# Allegro board AX7021B.brd (continued)
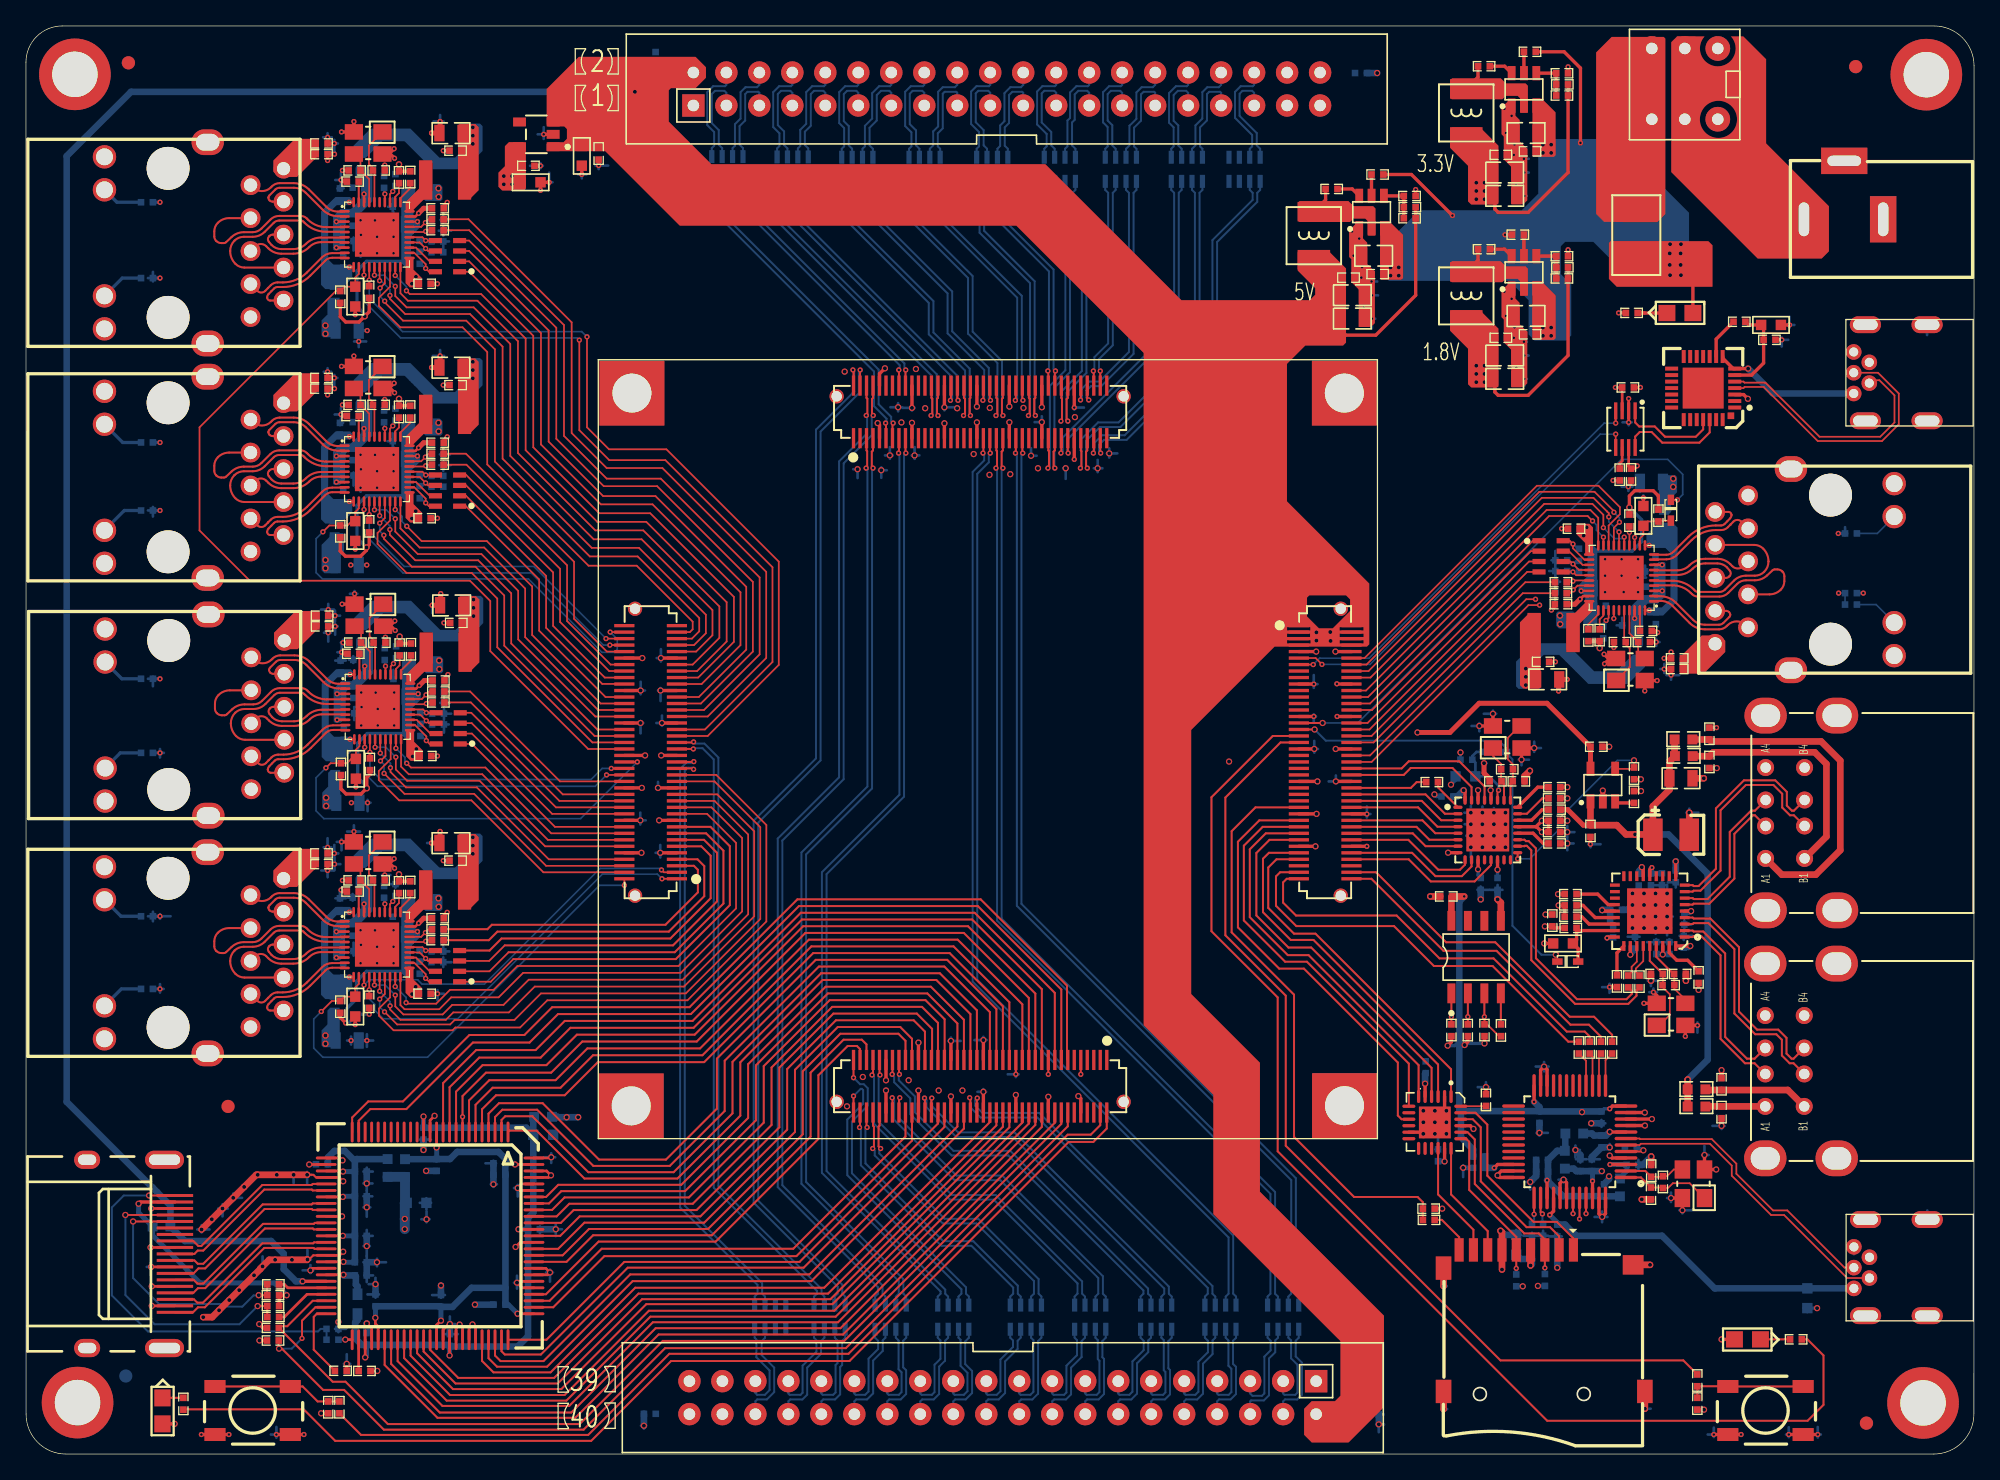
[diagram p0: board, top side]
## Routing (per net, layer and track width the routed paths; a pad name or vN(x,y) marks a point on that pad's centre or on a via; arc(x,y) is an arc through that point) (continued)
VBUS1: length 4.6
  TOP w0.508: L26.1 129.34,26.78 C237.1 133.93,26.78 J5.A1
VBUS2: length 8.2
  TOP w0.508: L29.1 129.38,28.04 C238.1 135.67,28.04 J5.B1
VBUS3: length 26
  TOP w0.508: L27.1 128.32,55.04 C241.1 129.78,54.89 138.24,54.89 139.71,53.42 139.71,46.51 137.83,44.63 135.21,44.63 J6.A1
VBUS4: length 18.8
  TOP w0.508: J6.B1 138.64,47.56 138.64,53.15 137.74,54.05 129.93,54.05 C242.1 128.35,53.75 L30.1
VCC1V8: length 29.6
  TOP w0.254: U7.32 110.82,51.02 v3(110.7,51.13) ; U5.5 v3(107.74,28.53) ; U7.8 v3(109.51,46.32) ; U7.11 v3(111.82,45.03) ; C623.1 113.11,82.69 113.11,81.8 113.37,81.55 115.68,81.55 118.75,84.62 C624.2 R320.1 ; v3(112.79,51.13) 112.82,51.1 U7.28 ; U7.14 v3(113.32,45.01) ; U7.30 v3(111.82,51.13)
  BOTTOM w0.203: R36.2 v3(110.46,54.04)
  BOTTOM w0.254: C56.1 113.32,44.38 v3(113.32,45.01) ; v3(111.82,45.03) 111.82,44.58 C54.1
  BOTTOM w0.508: v3(107.74,28.53) 107.74,29.29 C24.1 ; v3(110.7,51.13) 110.22,50.65 C55.1
  BOTTOM w0.762: v3(29.17,17.32) v3(29.17,18.11) 29.17,19.33 29.19,19.35 L8.2 29.18,21.35 L9.2
  vias: v2(111.68,83.83) v2(111.68,83.2) v2(111.68,82.56) v2(112.32,83.83) v2(112.32,83.2) v2(112.32,82.56) v2(118.13,64.58) v2(118.14,63.92)
VCC3V3: length 70
  TOP w0.191: U13.29 29.99,95.33 v1(30.24,95.57) ; v1(119.67,65.85) 119.91,66.09 U6.29 ; U11.29 30.04,58.95 v1(30.29,59.2) ; U10.29 29.99,40.64 v1(30.24,40.88) ; U12.29 29.99,77.27 v1(30.24,77.51)
  TOP w0.203: U4.7 123.42,76.08 C240.1 123.87,75.9 124.07,76.1 v1(124.07,76.12) ; v1(122.39,82.16) C239.1 122.92,82.15 U4.3 ; R160.1 v1(122.21,74.99)
  TOP w0.254: U18.23 121.44,41.82 v3(121.37,41.89) ; U18.10 v3(127.04,45.65) ; R49.2 v3(17.98,8.74) ; LED1.1 v3(130.57,8.83) ; v2(28.72,81.28) R1080.2 R1096.1 ; v3(124.43,45.2) 124.54,45.09 U18.15 ; R119.2 v3(129.22,3.42) ; C630.1 113.11,96.78 113.11,95.89 113.37,95.64 115.68,95.64 118.75,98.71 C629.2 R324.1 ; R1078.1 R1062.2 v2(28.78,62.96) ; v3(17.96,10.01) 18.26,9.71 R48.2 ; v2(28.72,99.34) R1098.2 R1115.1 ; v3(116.96,40.64) C224.1 117.66,40.52 R153.2 ; R1025.1 R1028.2 v2(121.18,62.08) ; U18.36 v3(128.16,39.13) ; 116.28,48.32 v3(116.74,48.78) C52.1 C53.1 v3(116.74,47.91) 116.32,48.32 116.28,48.32 ; 116.28,48.32 U7.21 ; U5.21 111.22,25.29 v3(111.47,25.04) ; R1061.1 R1045.2 v2(28.73,44.65) ; LED2.1 v3(11.44,2.32) ; U18.5 v3(128.22,41.82) ; R123.2 v3(22.73,3.14) ; R41.1 v3(124.37,51.07) ; U18.29 v3(123.54,38.46) ; U5.17 v3(109.24,22.54) ; R19.2 v3(109.06,18.9)
  TOP w0.381: v1(30.29,59.2) 30.67,59.59 C1526.1 ; C1543.1 30.62,77.9 v1(30.24,77.51) ; v1(30.24,95.57) 30.62,95.96 C1560.1 ; v1(119.67,65.85) 119.28,65.46 C1494.1 ; C1503.1 30.62,41.27 v1(30.24,40.88)
  TOP w0.508: J3.4 v3(115.86,14.53)
  SVCC w0.381: J15.40 52.14,3.07 ; J15.39 52.14,5.61
  BOTTOM w0.254: R1029.2 v1(141.48,66.31) ; R16.2 v3(115.26,12.92) ; R17.2 v3(116.43,12.95)
  BOTTOM w0.381: v3(124.43,45.2) 124.19,44.96 C227.1 ; C225.1 128.1,41.7 v3(128.22,41.82) ; C23.1 109.22,22.55 v3(109.24,22.54) ; v3(123.54,38.46) 123.9,38.83 C229.1 ; R163.2 121.99,40.95 121.99,41.02 ; v3(128.16,39.13) 128.03,39 C223.1
  BOTTOM w0.508: L7.1 40.94,25.97 40.97,25.95 v3(41.63,25.95) v3(42.52,25.95) ; C226.1 127.04,45.65 v3(127.04,45.65) ; C22.1 115.09,15.02 C25.1 115.96,14.63 v3(115.86,14.53) ; v3(121.37,41.89) 121.39,41.92 C228.1 121.99,41.02
  vias: v2(23.06,86.92) v2(23.06,86.29) v2(23.06,68.86) v2(23.06,68.23) v2(23.11,50.55) v2(23.11,49.92) v2(23.06,32.24) v2(23.06,31.6) v2(111.68,97.92) v2(111.68,97.29) v2(111.68,96.65) v2(112.32,97.92) v2(112.32,97.29) v2(112.32,96.65) v2(126.84,75.13) v2(126.84,74.49)
VCC5V: length 189.6
  TOP w0.254: U9.45 v3(21.3,13.3) ; C617.1 101.38,87.32 101.38,86.44 101.63,86.18 103.94,86.18 107.01,89.26 C618.2 R317.1
  TOP w0.381: v3(107.15,55.58) 109.65,55.58 111.9,57.83 117.12,57.83 C61.1 U8.5
  SVCC w0.254: v3(100.46,62.63) 101.16,62.63 107.15,56.64 v3(107.15,55.58)
  BOTTOM w0.381: J15.2 100.52,3.07
  BOTTOM w0.508: v3(46.89,104.93) 8.09,104.93 3.13,99.97 3.13,27.13 9.72,20.54 9.74,20.54 10.11,20.17 10.11,20.15 11.12,19.14 F1.1 12.24,16.41 18.87,16.41 19.85,15.43 19.85,14.25 20.79,13.3 v3(21.3,13.3)
  vias: v3(99.37,63.29) v3(99.37,62.66) v3(100.44,63.32)
VCC12V: length 19.7
  TOP w0.254: R326.1 v1(113.89,93.92) ; R325.1 118.45,108.01 119.7,106.76 v1(119.7,100.99) ; 128.67,90.59 128.36,90.29 LED9.1 ; v1(109.85,95.4) 106.69,98.56 R318.1
  vias: v2(105.08,91.4) v2(105.08,90.77) v2(105.71,91.4) v2(105.71,90.77) v2(116.81,100.86) v2(116.81,100.22) v2(116.81,86.77) v2(116.81,86.13) v2(117.45,100.86) v2(117.45,100.22) v2(117.45,86.77) v2(117.45,86.13) v3(126.6,93.19) v3(126.58,92.48) v3(126.58,91.59) v3(126.6,90.8) v3(127.42,92.48) v3(127.42,91.59) v3(127.44,93.19) v3(127.44,90.8)
9134_CLK: length 42.3
  TOP w0.152: U9.88 41.14,16.8 42.64,18.31 51.93,18.31 58.62,24.99 58.62,29.66 62.37,33.41 68.36,33.41 69.23,32.54 CON4.57
9134_D0: length 46.4
  TOP w0.152: CON4.45 72.23,33.45 69.68,36 61.58,36 55.61,30.03 55.61,25.89 50.46,20.74 40.99,20.74 40.05,19.8 U9.94
9134_D1: length 45.6
  TOP w0.152: CON4.47 71.73,33.16 69.41,35.48 61.75,35.48 56.21,29.94 56.21,25.71 50.76,20.25 41.22,20.25 40.28,19.3 U9.93
9134_D2: length 44.6
  TOP w0.152: CON4.51 70.74,30.37 70.74,33.49 69.27,34.96 61.89,34.96 56.81,29.88 56.81,25.53 51.05,19.77 41.47,19.77 40.51,18.8 U9.92
9134_D3: length 43.8
  TOP w0.152: CON4.53 70.23,33.22 69,34.44 62.08,34.44 57.41,29.77 57.41,25.35 51.34,19.28 41.84,19.28 40.86,18.3 U9.91
9134_D4: length 42.9
  TOP w0.152: U9.90 41.19,17.8 42.17,18.79 51.64,18.79 58.01,25.17 58.01,29.77 62.18,33.93 68.6,33.93 69.78,32.75 69.78,30.4 CON4.55
9134_D5: length 41
  TOP w0.152: CON4.61 68.23,31.99 67.33,32.89 62.51,32.89 59.22,29.6 59.22,24.81 52.23,17.82 43,17.82 40.98,15.8 U9.86
9134_D6: length 40.2
  TOP w0.152: CON4.63 67.73,31.83 67.18,32.37 62.7,32.37 59.82,29.49 59.82,24.63 52.52,17.34 43.35,17.34 41.32,15.3 U9.85
9134_D7: length 36.9
  TOP w0.152: CON4.75 64.72,30.36 64.72,31.56 64.36,31.91 62.96,31.91 60.42,29.38 60.42,24.45 52.82,16.85 43.67,16.85 41.62,14.8 U9.84
9134_D8: length 36.8
  TOP w0.152: CON4.77 64.23,31.19 63.98,31.43 63.27,31.43 61.02,29.18 61.02,24.27 53.11,16.36 44.1,16.36 40.04,12.3 U9.79
9134_D9: length 35.7
  TOP w0.152: U9.78 40.32,11.8 44.33,15.81 59.08,15.81 67.73,24.45 CON4.64
9134_D10: length 36.6
  TOP w0.152: U9.77 40.6,11.3 44.54,15.25 59.33,15.25 68.23,24.14 CON4.62
9134_D11: length 40.9
  TOP w0.152: CON4.54 70.23,25.46 59.57,14.8 46.07,14.8 40.08,8.8 U9.75
9134_D12: length 43.5
  TOP w0.152: CON4.52 70.73,25.19 59.89,14.35 46.34,14.35 39.65,7.67 36.87,7.67 36.62,7.92 U9.74
9134_D13: length 45.6
  TOP w0.152: U9.73 36.12,7.59 36.55,7.16 39.85,7.16 46.53,13.84 60.33,13.84 71.73,25.23 CON4.48
9134_D14: length 47.1
  TOP w0.152: CON4.46 72.23,25.07 60.47,13.32 46.72,13.32 40.13,6.73 36.27,6.73 35.62,7.38 U9.72
9134_D15: length 49.8
  TOP w0.152: U9.71 35.12,7.17 36,6.29 40.4,6.29 46.92,12.81 61.47,12.81 74.23,25.57 CON4.38
9134_D16: length 54.3
  TOP w0.152: CON4.36 74.73,25.31 61.77,12.36 47.17,12.36 40.67,5.87 33.29,5.87 31.12,8.03 U9.63
9134_D17: length 55.8
  TOP w0.152: CON4.34 75.23,25.2 61.95,11.93 47.44,11.93 40.95,5.43 33.08,5.43 30.62,7.9 U9.62
9134_D18: length 57.3
  TOP w0.152: U9.61 30.12,7.76 32.88,5 41.22,5 47.77,11.55 62.11,11.55 75.73,25.17 CON4.32
9134_D19: length 59.1
  TOP w0.152: CON4.28 76.73,25.53 62.23,11.04 47.97,11.04 41.47,4.54 32.65,4.54 29.62,7.58 U9.60
9134_D20: length 60.6
  TOP w0.152: U9.59 29.12,7.39 32.4,4.11 41.61,4.11 48.08,10.58 62.35,10.58 77.23,25.46 CON4.26
9134_D21: length 62.1
  TOP w0.152: U9.58 28.62,7.15 32.07,3.71 41.83,3.71 48.27,10.15 62.53,10.15 77.73,25.34 CON4.24
9134_D22: length 63.7
  TOP w0.152: U9.57 28.12,6.94 31.86,3.2 41.99,3.2 48.49,9.69 62.72,9.69 78.23,25.2 CON4.22
9134_D23: length 65.4
  TOP w0.152: CON4.18 79.23,25.52 62.92,9.21 48.72,9.21 42.3,2.79 31.69,2.79 27.62,6.86 U9.56
9134_DE: length 50.5
  TOP w0.152: CON4.43 72.73,33.89 70.1,36.51 61.35,36.51 55.01,30.18 55.01,26.07 50.17,21.22 43,21.22 39.32,24.91 37.23,24.91 U9.1
9134_HS: length 53.1
  TOP w0.152: U9.2 36.62,25.73 36.9,26.02 38.99,26.02 43.3,21.71 49.87,21.71 54.41,26.24 54.41,30.21 61.23,37.03 70.37,37.03 73.23,34.18 CON4.41
9134_INT: length 69.9
  TOP w0.152: U9.24 25.62,25.67 26.52,26.57 29.29,26.57 34.42,31.7 38.78,31.7 40.97,33.89 51.2,33.89 59.52,42.21 73.3,42.21 79.73,35.78 CON4.15
9134_MCLK: length 52.7
  TOP w0.152: CON4.33 75.23,34.49 71.13,38.59 60.62,38.59 52.22,30.19 44.04,30.19 41.49,27.64 36.2,27.64 35.12,26.56 U9.5
9134_NRESET: length 71.6
  TOP w0.152: U9.25 25.12,25.92 26.36,27.16 29.03,27.16 34.14,32.28 38.38,32.28 40.52,34.42 51.1,34.42 59.4,42.73 73.52,42.73 80.16,36.08 80.16,30.42 CON4.13
9134_SCK: length 64
  TOP w0.152: U9.11 32.12,28.57 34.67,31.12 39.24,31.12 41.49,33.36 51.33,33.36 59.66,41.69 73.05,41.69 79.23,35.52 CON4.17
9134_SCL: length 78.3
  TOP w0.152: U9.48 22.08,11.8 20.12,9.84 19.61,9.84 R48.1 23.62,5.57 24.6,5.57 27.86,2.31 42.63,2.31 49.04,8.71 63.01,8.71 79.73,25.43 CON4.16
9134_SD0: length 60.3
  TOP w0.152: CON4.23 77.73,35.47 72.54,40.66 59.85,40.66 51.5,32.3 42.42,32.3 40.08,29.96 35.16,29.96 33.12,27.91 U9.9
9134_SD1: length 58.4
  TOP w0.152: U9.8 v1(33.62,25.98) 33.62,27.58 35.42,29.38 40.44,29.38 42.84,31.77 51.65,31.77 60.02,40.14 72.22,40.14 77.23,35.13 CON4.25
9134_SD2: length 56.5
  TOP w0.152: U9.7 34.12,27.24 35.68,28.8 40.78,28.8 43.23,31.25 51.91,31.25 60.29,39.62 71.75,39.62 76.73,34.64 CON4.27
9134_SD3: length 54.5
  TOP w0.152: CON4.31 75.73,34.8 71.43,39.1 60.48,39.1 52.09,30.72 43.66,30.72 41.16,28.22 35.94,28.22 34.62,26.9 U9.6
9134_SDA: length 80.5
  TOP w0.152: CON4.14 80.23,25.25 63.13,8.15 49.22,8.15 42.94,1.88 27.56,1.88 24.5,4.94 22.88,4.94 19.7,8.12 v3(19.49,8.12) 19.47,8.13 R49.1 ; v1(21.26,8.91) 21.26,10.27 22.29,11.3 U9.49
  BOTTOM w0.152: v1(21.26,8.91) 20.47,8.12 v3(19.49,8.12)
9134_SPDIF: length 56.8
  TOP w0.152: U9.4 35.62,26.22 36.42,27.02 39.79,27.02 44.13,22.68 49.28,22.68 53.2,26.6 53.2,30.46 60.82,38.07 70.94,38.07 74.73,34.28 CON4.35
9134_VS: length 55.1
  TOP w0.152: CON4.37 74.23,34.04 70.72,37.55 61.06,37.55 53.81,30.3 53.81,26.42 49.58,22.19 43.69,22.19 39.36,26.52 36.68,26.52 36.12,25.96 U9.3
9134_WS: length 62.1
  TOP w0.152: U9.10 32.62,28.25 34.9,30.54 39.63,30.54 41.93,32.83 51.41,32.83 59.76,41.17 72.86,41.17 78.23,35.81 CON4.21
+3P3OUTV: length 12
  TOP w0.254: v1(117.13,21.08) U1.39
  BOTTOM w0.508: L1.1 118.54,23.39 L3.1 117.9,23.36 C8.1 C12.1 117.21,21.16 v1(117.13,21.08) 118.35,19.86 C14.1 121.54,19.85 L2.1
+3P3V: length 54
  TOP w0.254: R10.2 111.03,31.75 v3(110.78,31.5) ; R9.2 109.76,31.74 v3(109.48,31.46) ; U1.46 v1(120.63,21.03) ; U1.12 122.17,26.8 v1(121.96,26.59) ; U1.24 v1(116.13,27.13) ; R11.2 v3(112.31,31.63)
  TOP w0.508: v1(110.75,42.95) C17.1 109.76,42.9 U2.8
  SVCC w0.508: v3(119.82,26.34) 119.82,23.83 121.35,22.3 v3(121.35,21.79)
  BOTTOM w0.254: 110.38,31.48 110.4,31.5 v3(110.78,31.5) 110.9,31.63 v3(112.31,31.63) ; 110.38,31.88 110.26,31.76 110.26,31.71 110.01,31.46 v3(109.48,31.46) ; C11.1 121.52,26.59 v1(121.96,26.59)
  BOTTOM w0.381: C16.1 120.63,21.74 v1(120.63,21.03)
  BOTTOM w0.508: C9.1 110.53,26.42 110.5,26.39 ; C9.1 116.57,26.39 119.77,26.39 v3(119.82,26.34) 119.87,26.39 C11.1 ; C9.1 116.55,26.72 v1(116.13,27.13) ; L3.2 119.19,21.98 119.38,21.79 C10.1 C16.1 v3(121.35,21.79) ; R7.1 111.44,23.46 110.5,24.4 110.5,26.39 ; v1(110.75,42.95) 110.38,42.58 110.38,26.51 110.5,26.39
DN1: length 14.4
  TOP w0.152: J5.A2 133.11,30.1 132.37,30.1 130.49,31.98 130.49,38.41 129.01,39.89 128.42,39.89 128.34,39.82 U18.1
DN2: length 17.7
  TOP w0.152: J5.B2 136.11,30.1 135.81,30.1 135.21,30.7 135.21,31.91 134.79,32.33 133.16,32.33 131.56,33.93 131.56,38.89 129.56,40.89 128.42,40.89 128.34,40.82 U18.3
DN3: length 11.4
  TOP w0.152: U18.6 128.34,42.32 128.42,42.39 129.63,42.39 131.56,44.32 131.56,47.77 132.99,49.2 133.14,49.2 J6.A2
DN4: length 17.3
  TOP w0.152: J6.B2 136.14,49.2 135.84,49.2 135.24,49.8 135.24,50.86 134.56,51.54 132.44,51.54 130.49,49.59 130.49,44.94 128.95,43.39 128.42,43.39 128.34,43.32 U18.8
DP1: length 14.4
  TOP w0.152: J5.A3 133.11,30.45 132.52,30.45 130.85,32.13 130.85,38.56 129.15,40.25 128.42,40.25 128.34,40.32 U18.2
DP2: length 17.7
  TOP w0.152: J5.B3 136.11,30.45 135.96,30.45 135.57,30.85 135.57,32.05 134.93,32.69 133.3,32.69 131.91,34.08 131.91,39.04 129.7,41.25 128.42,41.25 128.34,41.32 U18.4
DP3: length 11.4
  TOP w0.152: U18.7 128.34,42.82 128.42,42.75 129.48,42.75 131.2,44.47 131.2,47.92 132.84,49.56 133.14,49.56 J6.A3
DP4: length 17.3
  TOP w0.152: U18.9 128.34,43.82 128.42,43.75 128.8,43.75 130.13,45.09 130.13,49.73 132.29,51.89 134.71,51.89 135.6,51 135.6,49.95 135.99,49.56 136.14,49.56 J6.B3
DSCL: length 20
  TOP w0.152: J9.15 v3(8.25,17.91) ; v3(17.92,12.23) R53.1 R44.2
  BOTTOM w0.152: v3(17.92,12.23) 17.9,12.22 17.52,12.22 16.66,11.35 15.38,11.35 15.17,11.56 10.25,11.56 8.25,13.56 v3(8.25,17.91)
DSDA: length 23.3
  TOP w0.152: v3(17.84,11.4) R54.1 R45.2 ; J9.16 v3(7.66,18.41)
  BOTTOM w0.152: v3(17.84,11.4) 16.44,10 9.91,10 7.66,12.25 v3(7.66,18.41)
EECLK: length 23.7
  TOP w0.152: 111.03,33.57 111.03,33.57 U2.2 ; 111.03,33.57 R10.1 ; 111.03,33.57 v1(111.03,33.68) ; U1.44 v1(119.63,18.11)
  SVCC w0.127: v1(111.03,33.68) 111.34,33.37 111.34,27.53 117.73,21.14 117.73,19.26 118.88,18.11 v1(119.63,18.11)
EECS: length 25.6
  TOP w0.152: U2.1 v1(109.76,33.68) 109.76,33.1 R9.1 ; U1.45 v1(120.13,18.52)
  SVCC w0.127: v1(109.76,33.68) 110.11,33.34 110.11,27.85 116.53,21.43 116.53,19.83 118.81,17.55 119.78,17.55 120.13,17.9 v1(120.13,18.52)
EEDATA: length 23.2
  TOP w0.127: R11.1 112.51,33.1 113.43,32.18 R12.1
  TOP w0.152: U1.43 v1(119.13,18.52) ; U2.3 v1(112.3,33.68) 112.3,33.68 112.31,33.67 R11.1
  SVCC w0.127: v1(119.13,18.52) 119.13,21.04 113.3,26.87 113.3,32.69 v1(112.3,33.68)
EX_IO1_1N: length 7.3
  BOTTOM w0.152: J15.3 96.81,4.66 96.91,4.56 97.74,4.56 97.9,4.72 97.9,6.89 97.42,7.37 97.42,8.75 97.21,8.96 RN1.6
EX_IO1_1P: length 8
  BOTTOM w0.152: RN1.5 98.01,8.96 97.77,8.72 97.77,7.52 98.26,7.04 98.26,4.57 97.89,4.2 96.95,4.2 96.81,4.06 J15.4
EX_IO1_2N: length 7.4
  BOTTOM w0.152: RN1.8 95.61,8.96 95.84,8.72 95.84,7.99 95.36,7.51 95.36,4.67 95.18,4.48 94.45,4.48 94.27,4.66 J15.5
EX_IO1_2P: length 8
  BOTTOM w0.152: RN1.7 96.41,8.96 96.2,8.75 96.2,7.84 95.72,7.36 95.72,4.52 95.32,4.13 94.33,4.13 94.27,4.06 J15.6
EX_IO1_3N: length 7.2
  BOTTOM w0.152: RN3.6 92.38,8.96 92.59,8.75 92.59,6.8 92.82,6.57 92.82,4.77 92.61,4.56 91.83,4.56 91.73,4.66 J15.7
EX_IO1_3P: length 7.9
  BOTTOM w0.152: J15.8 91.73,4.06 91.87,4.2 92.76,4.2 93.18,4.62 93.18,6.72 92.95,6.95 92.95,8.72 93.18,8.96 RN3.5
EX_IO1_4N: length 7.4
  BOTTOM w0.152: J15.9 89.19,4.66 89.29,4.56 90.05,4.56 90.28,4.8 90.28,7.11 91.02,7.84 91.02,8.72 90.78,8.96 RN3.8
EX_IO1_4P: length 8
  BOTTOM w0.152: J15.10 89.19,4.06 89.33,4.2 90.19,4.2 90.64,4.65 90.64,6.96 91.37,7.7 91.37,8.75 91.58,8.96 RN3.7
EX_IO1_5N: length 7.2
  BOTTOM w0.152: J15.11 86.65,4.66 86.75,4.56 87.56,4.56 87.74,4.74 87.74,6.33 87.61,6.46 87.61,8.77 87.43,8.96 RN5.6
EX_IO1_5P: length 7.8
  BOTTOM w0.152: RN5.5 88.23,8.96 87.97,8.7 87.97,6.6 88.1,6.48 88.1,4.6 87.7,4.2 86.79,4.2 86.65,4.06 J15.12
EX_IO1_6N: length 7.5
  BOTTOM w0.152: J15.13 84.11,4.66 84.21,4.56 84.97,4.56 85.2,4.8 85.2,7.13 86.07,8 86.07,8.72 85.83,8.96 RN5.8
EX_IO1_6P: length 8.1
  BOTTOM w0.152: RN5.7 86.63,8.96 86.42,8.75 86.42,7.85 85.56,6.98 85.56,4.65 85.11,4.2 84.25,4.2 84.11,4.06 J15.14
EX_IO1_7N: length 7.1
  BOTTOM w0.152: RN7.6 82.35,8.96 82.53,8.77 82.53,7.31 82.66,7.18 82.66,4.77 82.45,4.56 81.67,4.56 81.57,4.66 J15.15
EX_IO1_7P: length 7.8
  BOTTOM w0.152: J15.16 81.57,4.06 81.71,4.2 82.6,4.2 83.02,4.62 83.02,7.33 82.89,7.46 82.89,8.7 83.15,8.96 RN7.5
EX_IO1_8N: length 7.4
  BOTTOM w0.152: RN7.8 80.75,8.96 80.93,8.77 80.93,7.61 80.12,6.8 80.12,4.74 79.94,4.56 79.13,4.56 79.03,4.66 J15.17
EX_IO1_8P: length 8.1
  BOTTOM w0.152: RN7.7 81.55,8.96 81.29,8.7 81.29,7.47 80.48,6.65 80.48,4.6 80.08,4.2 79.17,4.2 79.03,4.06 J15.18
EX_IO1_9N: length 7.1
  BOTTOM w0.152: RN9.6 77.4,8.96 77.58,8.77 77.58,4.8 77.35,4.56 76.59,4.56 76.49,4.66 J15.19
EX_IO1_9P: length 7.8
  BOTTOM w0.152: RN9.5 78.2,8.96 77.94,8.7 77.94,4.65 77.49,4.2 76.63,4.2 76.49,4.06 J15.20
EX_IO1_10N: length 7.5
  BOTTOM w0.152: J15.21 73.95,4.66 74.05,4.56 74.75,4.56 75.04,4.85 75.04,7.28 76.01,8.25 76.01,8.75 75.8,8.96 RN9.8
EX_IO1_10P: length 8.1
  BOTTOM w0.152: J15.22 73.95,4.06 74.09,4.2 74.9,4.2 75.4,4.7 75.4,7.14 76.36,8.1 76.36,8.72 76.6,8.96 RN9.7
EX_IO1_11N: length 7.3
  BOTTOM w0.152: RN11.6 71.81,8.96 71.97,8.8 71.97,6.79 72.5,6.25 72.5,4.85 72.21,4.56 71.51,4.56 71.41,4.66 J15.23
EX_IO1_11P: length 8
  BOTTOM w0.152: RN11.5 72.61,8.96 72.32,8.67 72.32,6.93 72.86,6.4 72.86,4.7 72.36,4.2 71.55,4.2 71.41,4.06 J15.24
EX_IO1_12N: length 7.3
  BOTTOM w0.152: J15.25 68.87,4.66 68.97,4.56 69.75,4.56 69.96,4.77 69.96,6.88 70.42,7.34 70.42,8.75 70.21,8.96 RN11.8
EX_IO1_12P: length 7.9
  BOTTOM w0.152: J15.26 68.87,4.06 69.01,4.2 69.9,4.2 70.32,4.62 70.32,6.73 70.77,7.19 70.77,8.72 71.01,8.96 RN11.7
EX_IO1_13N: length 7.2
  BOTTOM w0.152: RN13.6 66.98,8.96 67.19,8.75 67.19,6.53 67.42,6.3 67.42,4.77 67.21,4.56 66.43,4.56 66.33,4.66 J15.27
EX_IO1_13P: length 7.9
  BOTTOM w0.152: J15.28 66.33,4.06 66.47,4.2 67.36,4.2 67.78,4.62 67.78,6.45 67.55,6.68 67.55,8.72 67.78,8.96 RN13.5
EX_IO1_14N: length 7.4
  BOTTOM w0.152: J15.29 63.79,4.66 63.89,4.56 64.62,4.56 64.88,4.82 64.88,7.35 65.62,8.08 65.62,8.72 65.38,8.96 RN13.8
EX_IO1_14P: length 8
  BOTTOM w0.152: J15.30 63.79,4.06 63.93,4.2 64.77,4.2 65.24,4.67 65.24,7.2 65.97,7.94 65.97,8.75 66.18,8.96 RN13.7
EX_IO1_15N: length 7.2
  BOTTOM w0.152: J15.31 61.25,4.66 61.35,4.56 62.16,4.56 62.34,4.74 62.34,6.85 62.49,7.01 62.49,8.75 62.28,8.96 RN15.6
EX_IO1_15P: length 7.8
  BOTTOM w0.152: RN15.5 63.08,8.96 62.85,8.72 62.85,6.86 62.7,6.71 62.7,4.6 62.3,4.2 61.39,4.2 61.25,4.06 J15.32
EX_IO1_16N: length 7.6
  BOTTOM w0.152: RN15.8 60.68,8.96 60.87,8.77 60.87,7.87 59.8,6.8 59.8,4.72 59.64,4.56 58.81,4.56 58.71,4.66 J15.33
EX_IO1_16P: length 8.2
  BOTTOM w0.152: J15.34 58.71,4.06 58.85,4.2 59.79,4.2 60.16,4.57 60.16,6.65 61.22,7.72 61.22,8.7 61.48,8.96 RN15.7
EX_IO1_17N: length 7.4
  BOTTOM w0.152: J15.35 56.17,4.7 56.31,4.56 56.9,4.56 57.26,4.92 57.26,6.44 56.25,7.45 56.25,8.83 56.11,8.96 RN17.8
EX_IO1_17P: length 8.1
  BOTTOM w0.152: RN17.7 56.91,8.96 56.65,8.7 56.65,7.62 57.62,6.65 57.62,4.78 57.05,4.2 56.31,4.2 56.17,4.06 J15.36
EX_IO2_1N: length 7.4
  BOTTOM w0.152: RN2.6 53.61,100.59 53.35,100.85 53.35,101.98 52.82,102.51 52.82,104.75 53.07,105 53.78,105 53.93,104.85 J16.3
EX_IO2_1P: length 7.9
  BOTTOM w0.152: J16.4 53.93,105.46 53.83,105.36 52.92,105.36 52.46,104.9 52.46,102.37 52.99,101.83 52.99,100.78 52.81,100.59 RN2.5
EX_IO2_2N: length 7.3
  BOTTOM w0.152: RN2.8 55.21,100.59 54.95,100.85 54.95,102.29 55.38,102.72 55.38,104.75 55.55,104.93 56.4,104.93 56.47,104.85 J16.5
EX_IO2_2P: length 7.9
  BOTTOM w0.152: J16.6 56.47,105.46 56.3,105.28 55.41,105.28 55.03,104.9 55.03,102.87 54.59,102.43 54.59,100.78 54.41,100.59 RN2.7
EX_IO2_3N: length 7.4
  BOTTOM w0.152: J16.7 59.01,104.85 58.86,105 58.15,105 57.9,104.75 57.9,102.36 58.38,101.88 58.38,100.83 58.64,100.57 RN4.6
EX_IO2_3P: length 7.9
  BOTTOM w0.152: J16.8 59.01,105.46 58.91,105.36 58,105.36 57.54,104.9 57.54,102.21 58.02,101.73 58.02,100.75 57.84,100.57 RN4.5
EX_IO2_4N: length 7.4
  BOTTOM w0.152: J16.9 61.55,104.85 61.4,105 60.69,105 60.44,104.75 60.44,102.31 59.98,101.85 59.98,100.83 60.24,100.57 RN4.8
EX_IO2_4P: length 7.9
  BOTTOM w0.152: J16.10 61.55,105.46 61.45,105.36 60.54,105.36 60.08,104.9 60.08,102.46 59.62,102 59.62,100.75 59.44,100.57 RN4.7
EX_IO2_5N: length 7.4
  BOTTOM w0.152: J16.11 64.09,104.85 63.94,105 63.23,105 62.98,104.75 62.98,102.67 63.36,102.29 63.36,100.8 63.62,100.54 RN6.6
EX_IO2_5P: length 7.9
  BOTTOM w0.152: J16.12 64.09,105.46 63.99,105.36 63.08,105.36 62.62,104.9 62.62,102.52 63,102.14 63,100.72 62.82,100.54 RN6.5
EX_IO2_6N: length 7.4
  BOTTOM w0.152: J16.13 66.63,104.85 66.48,105 65.84,105 65.52,104.68 65.52,102.72 64.96,102.16 64.96,100.8 65.22,100.54 RN6.8
EX_IO2_6P: length 7.9
  BOTTOM w0.152: J16.14 66.63,105.46 66.53,105.36 65.69,105.36 65.16,104.83 65.16,102.87 64.6,102.31 64.6,100.72 64.42,100.54 RN6.7
EX_IO2_7N: length 7.5
  BOTTOM w0.152: J16.15 69.17,104.85 69.02,105 68.28,105 68.06,104.78 68.06,102.44 68.54,101.96 68.54,100.8 68.8,100.54 RN8.6
EX_IO2_7P: length 8
  BOTTOM w0.152: J16.16 69.17,105.46 69.07,105.36 68.13,105.36 67.7,104.93 67.7,102.29 68.18,101.81 68.18,100.72 68,100.54 RN8.5
EX_IO2_8N: length 7.3
  BOTTOM w0.152: J16.17 71.71,104.85 71.64,104.93 70.74,104.93 70.6,104.78 70.6,102.11 70.22,101.73 70.22,100.72 70.4,100.54 RN8.8
EX_IO2_8P: length 8
  BOTTOM w0.152: RN8.7 69.6,100.54 69.86,100.8 69.86,101.88 70.24,102.26 70.24,104.93 70.6,105.28 71.54,105.28 71.71,105.46 J16.18
EX_IO2_9N: length 7.5
  BOTTOM w0.152: J16.19 74.25,104.85 74.1,105 73.33,105 73.14,104.81 73.14,102.59 73.75,101.98 73.75,100.8 74.01,100.54 RN10.6
EX_IO2_9P: length 8
  BOTTOM w0.152: RN10.5 73.21,100.54 73.39,100.72 73.39,101.83 72.78,102.44 72.78,104.95 73.19,105.36 74.15,105.36 74.25,105.46 J16.20
EX_IO2_10N: length 7.2
  BOTTOM w0.152: RN10.8 75.61,100.54 75.37,100.78 75.37,102.19 75.7,102.52 75.7,104.68 75.95,104.93 76.72,104.93 76.79,104.85 J16.21
EX_IO2_10P: length 7.8
  BOTTOM w0.152: RN10.7 74.81,100.54 75.02,100.75 75.02,102.34 75.35,102.67 75.35,104.83 75.8,105.28 76.62,105.28 76.79,105.46 J16.22
EX_IO2_11N: length 7.6
  BOTTOM w0.152: J16.23 79.33,104.85 79.18,105 78.41,105 78.22,104.81 78.22,102.57 78.95,101.83 78.95,100.8 79.21,100.54 RN12.6
EX_IO2_11P: length 8.1
  BOTTOM w0.152: J16.24 79.33,105.46 79.23,105.36 78.27,105.36 77.86,104.95 77.86,102.42 78.6,101.68 78.6,100.72 78.41,100.54 RN12.5
EX_IO2_12N: length 7.3
  BOTTOM w0.152: RN12.8 80.81,100.54 80.55,100.8 80.55,102.57 80.76,102.77 80.76,104.73 81.03,105 81.72,105 81.87,104.85 J16.25
EX_IO2_12P: length 7.8
  BOTTOM w0.152: RN12.7 80.01,100.54 80.2,100.72 80.2,102.71 80.4,102.92 80.4,104.88 80.88,105.36 81.77,105.36 81.87,105.46 J16.26
EX_IO2_13N: length 7.4
  BOTTOM w0.152: RN14.6 83.91,100.54 83.65,100.8 83.65,102.36 83.3,102.72 83.3,104.75 83.55,105 84.26,105 84.41,104.85 J16.27
EX_IO2_13P: length 7.9
  BOTTOM w0.152: RN14.5 83.11,100.54 83.3,100.72 83.3,102.21 82.94,102.57 82.94,104.9 83.4,105.36 84.31,105.36 84.41,105.46 J16.28
EX_IO2_14N: length 7.3
  BOTTOM w0.152: RN14.8 85.51,100.54 85.33,100.72 85.33,102.16 85.86,102.7 85.86,104.73 86.06,104.93 86.88,104.93 86.95,104.85 J16.29
EX_IO2_14P: length 8
  BOTTOM w0.152: J16.30 86.95,105.46 86.78,105.28 85.91,105.28 85.51,104.88 85.51,102.84 84.97,102.31 84.97,100.8 84.71,100.54 RN14.7
EX_IO2_15N: length 7.3
  BOTTOM w0.152: J16.31 89.49,104.85 89.34,105 88.7,105 88.38,104.68 88.38,102.69 88.73,102.34 88.73,100.8 88.99,100.54 RN16.6
EX_IO2_15P: length 7.9
  BOTTOM w0.152: RN16.5 88.19,100.54 88.38,100.72 88.38,102.19 88.02,102.54 88.02,104.83 88.55,105.36 89.39,105.36 89.49,105.46 J16.32
EX_IO2_16N: length 7.3
  BOTTOM w0.152: RN16.8 90.59,100.54 90.41,100.72 90.41,102.19 90.94,102.72 90.94,104.75 91.11,104.93 91.96,104.93 92.03,104.85 J16.33
EX_IO2_16P: length 8
  BOTTOM w0.152: J16.34 92.03,105.46 91.86,105.28 90.97,105.28 90.59,104.9 90.59,102.87 90.05,102.34 90.05,100.8 89.79,100.54 RN16.7
EX_IO2_17N: length 7.8
  BOTTOM w0.152: J16.35 94.57,104.85 94.42,105 93.68,105 93.46,104.78 93.46,103.07 94.78,101.75 94.78,100.8 95.04,100.54 RN18.8
EX_IO2_17P: length 8.3
  BOTTOM w0.152: RN18.7 94.24,100.54 94.42,100.72 94.42,101.61 93.1,102.93 93.1,104.93 93.53,105.36 94.47,105.36 94.57,105.46 J16.36
FPGA_TCK: length 25.8
  TOP w0.152: CON1.78 103.97,44.81 109.36,39.42 113.14,39.42 118.88,33.68 120.75,33.68 122.14,32.29 R3.1
FPGA_TDI: length 24.6
  TOP w0.152: R4.1 121.28,32.15 120.35,33.07 118.93,33.07 113.24,38.76 109.16,38.76 103.61,44.31 CON1.80
FPGA_TDO: length 31.2
  TOP w0.152: R5.1 120.42,32.16 120.03,32.54 118.65,32.54 113.01,38.18 108.85,38.18 105.55,41.48 97.8,41.48 96.8,42.47 96.8,44.03 97.08,44.31 CON1.79
FPGA_TMS: length 31.8
  TOP w0.152: R6.1 118.77,31.76 112.94,37.59 108.42,37.59 105.34,40.67 97.83,40.67 96.26,42.23 96.26,44.49 96.58,44.81 CON1.77
HDMI-VCC1: length 19.4
  TOP w0.254: J9.18 8.81,19.41 v3(8.67,19.28) ; v3(20.07,12.23) R53.2 R54.2
  BOTTOM w0.381: v3(8.67,19.28) 8.67,18.59 9.09,18.17 9.1,18.17 F1.2 9.75,16.84 13.41,13.18 19.12,13.18 v3(20.07,12.23)
HP_DET: length 30.6
  TOP w0.152: J9.19 v3(9.48,19.91)
  BOTTOM w0.152: v3(9.48,19.91) 7.53,19.91 6.61,19 6.61,12.22 9.39,9.44 22.49,9.44 22.69,9.64 R52.1 R47.2
IO1_1N: length 75.7
  TOP w0.152: v1(76.2,77.1) 76.23,77.13 CON2.51
  BOTTOM w0.152: RN1.3 97.21,12.13 97.43,12.35 97.43,21.1 76.3,42.23 76.3,76.99 v1(76.2,77.1)
IO1_1P: length 75.7
  TOP w0.152: v1(76.75,77.1) 76.73,77.13 CON2.53
  BOTTOM w0.152: RN1.4 98.01,12.13 97.79,12.35 97.79,21.25 76.66,42.37 76.66,77 v1(76.75,77.1)
IO1_2N: length 75.7
  TOP w0.152: v1(74.7,75.94) 74.78,76.02 74.78,77.25 74.73,77.3 CON2.45